# Altium PCB RockerBox_Rev04.PcbDoc (part 5 of 9) (continued)
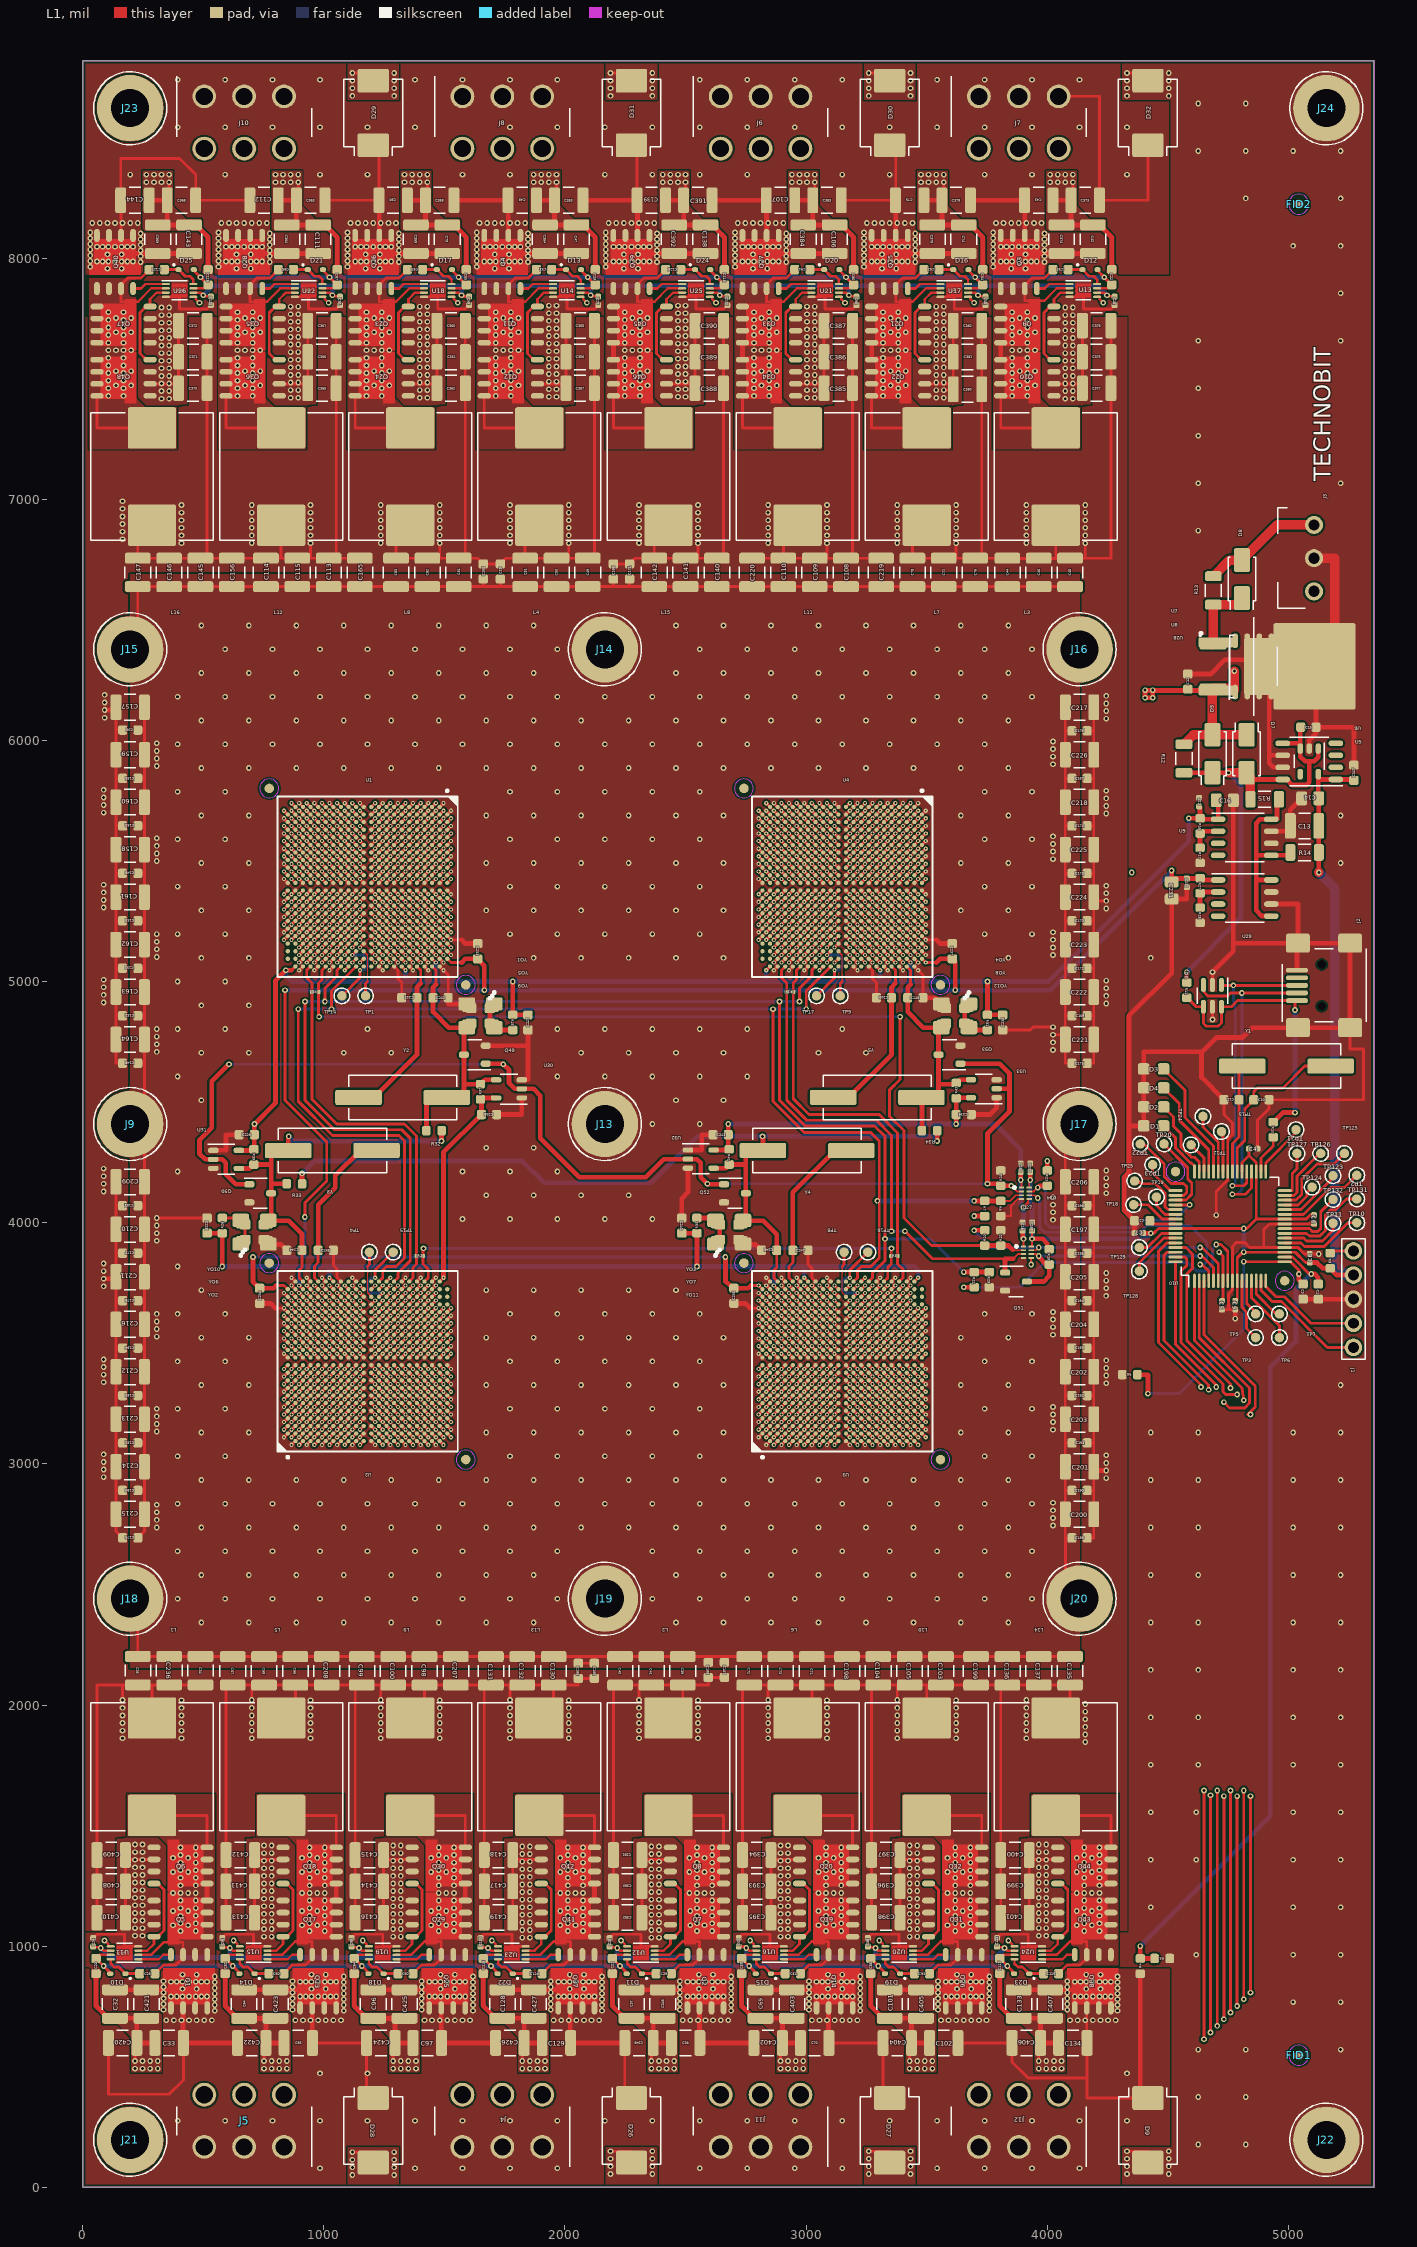
[diagram p0: L1 view]
## Nets (pads, with @x,y where several pads share a name; then routed paths per layer and width w, separated by ;. In a path a pad name is that pad's centre, name@x,y a point inside that pad or via, vN(x,y) a via of type N, cw(c..) or ccw(c..) an arc to the next point about the centre after c; other vN are vias at no path point) (continued)
  L1 w39.37: R13.2@4688.98,6681.1 4755.91,6748.03 D8.2@4807.09,6748.03 4952.76,6893.7 J3.3@5106.3,6893.7
  other v1: 984.25,78.74 1377.95,78.74 1574.8,78.74 1771.65,78.74 1968.5,78.74 2559.06,78.74 2755.91,78.74 2952.76,78.74 3149.61,78.74 3543.31,78.74 3740.16,78.74 3937.01,78.74 4133.86,78.74 393.7,275.59 590.55,275.59 787.4,275.59 984.25,275.59 1181.1,275.59 1377.95,275.59 1574.8,275.59 1771.65,275.59 1968.5,275.59 2165.35,275.59 2362.2,275.59 2559.06,275.59 2755.91,275.59 2952.76,275.59 3149.61,275.59 3346.46,275.59 3543.31,275.59 3740.16,275.59 3937.01,275.59 4133.86,275.59 4330.71,275.59 984.25,472.44 1181.1,472.44 4330.71,472.44 346.46,692.91 377.95,692.91 409.45,692.91 440.94,692.91 472.44,692.91 503.94,692.91 535.43,692.91 881.89,692.91 913.39,692.91 944.88,692.91 976.38,692.91 1007.87,692.91 1039.37,692.91 1070.87,692.91 1417.32,692.91 1448.82,692.91 1480.31,692.91 1511.81,692.91 1543.31,692.91 1574.8,692.91 1606.3,692.91 1952.76,692.91 1984.25,692.91 2015.75,692.91 2047.24,692.91 2078.74,692.91 2110.24,692.91 2141.73,692.91 2488.19,692.91 2519.68,692.91 2551.18,692.91 2582.68,692.91 2614.17,692.91 2645.67,692.91 2677.17,692.91 3023.62,692.91 3055.12,692.91 3086.61,692.91 3118.11,692.91 3149.61,692.91 3181.1,692.91 3212.6,692.91 3559.06,692.91 3590.55,692.91 3622.05,692.91 3653.54,692.91 3685.04,692.91 3716.54,692.91 3748.03,692.91 4094.49,692.91 4125.98,692.91 4157.48,692.91 4188.98,692.91 4220.47,692.91 4251.97,692.91 4283.46,692.91 547.24,732.28 1082.68,732.28 1618.11,732.28 2153.54,732.28 2688.98,732.28 3224.41,732.28 3759.84,732.28 4291.34,732.28 334.65,736.22 870.08,736.22 1405.51,736.22 1940.94,736.22 2476.38,736.22 3011.81,736.22 3547.24,736.22 4082.68,736.22 547.24,755.91 1082.68,755.91 1618.11,755.91 2153.54,755.91 2688.98,755.91 3224.41,755.91 3759.84,755.91 4291.34,755.91 334.65,759.84 870.08,759.84 1405.51,759.84 1940.94,759.84 2476.38,759.84 3011.81,759.84 3547.24,759.84 4082.68,759.84 547.24,779.53 1082.68,779.53 1618.11,779.53 2153.54,779.53 2688.98,779.53 3224.41,779.53 3759.84,779.53 4291.34,779.53 334.65,783.46 870.08,783.46 1405.51,783.46 1940.94,783.46 2476.38,783.46 3011.81,783.46 3547.24,783.46 4082.68,783.46 901.57,791.34 925.2,791.34 948.82,791.34 976.38,791.34 1003.94,791.34 1027.56,791.34 1051.18,791.34 1437.01,791.34 1460.63,791.34 1484.25,791.34 1511.81,791.34 1539.37,791.34 1562.99,791.34 1586.61,791.34 1972.44,791.34 1996.06,791.34 2019.68,791.34 2047.24,791.34 2074.8,791.34 2098.43,791.34 2122.05,791.34 2507.87,791.34 2531.5,791.34 2555.12,791.34 2582.68,791.34 2610.24,791.34 2633.86,791.34 2657.48,791.34 3043.31,791.34 3066.93,791.34 3090.55,791.34 3118.11,791.34 3145.67,791.34 3169.29,791.34 3192.91,791.34 3578.74,791.34 3602.36,791.34 3625.98,791.34 3653.54,791.34 3681.1,791.34 3704.72,791.34 3728.35,791.34 4114.17,791.34 4137.8,791.34 4161.42,791.34 4188.98,791.34 4216.54,791.34 4240.16,791.34 4263.78,791.34 547.24,803.15 1082.68,803.15 1618.11,803.15 2153.54,803.15 2688.98,803.15 3224.41,803.15 3759.84,803.15 4291.34,803.15 334.65,807.09 870.08,807.09 1405.51,807.09 1940.94,807.09 2476.38,807.09 3011.81,807.09 3547.24,807.09 4082.68,807.09 413.39,822.83 472.44,822.83 948.82,822.83 1007.87,822.83 1484.25,822.83 1543.31,822.83 2019.68,822.83 2078.74,822.83 2555.12,822.83 2614.17,822.83 3090.55,822.83 3149.61,822.83 3625.98,822.83 3685.04,822.83 4161.42,822.83 4220.47,822.83 547.24,826.77 1082.68,826.77 1618.11,826.77 2153.54,826.77 2688.98,826.77 3224.41,826.77 3759.84,826.77 4291.34,826.77 334.65,830.71 870.08,830.71 1405.51,830.71 1940.94,830.71 2476.38,830.71 3011.81,830.71 3547.24,830.71 4082.68,830.71 547.24,850.39 1082.68,850.39 1618.11,850.39 2153.54,850.39 2688.98,850.39 3224.41,850.39 3759.84,850.39 4291.34,850.39 366.14,852.36 389.76,852.36 413.39,852.36 440.94,852.36 468.5,852.36 492.13,852.36 515.75,852.36 901.57,852.36 925.2,852.36 948.82,852.36 976.38,852.36 1003.94,852.36 1027.56,852.36 1051.18,852.36 1437.01,852.36 1460.63,852.36 1484.25,852.36 1511.81,852.36 1539.37,852.36 1562.99,852.36 1586.61,852.36 1972.44,852.36 1996.06,852.36 2019.68,852.36 2047.24,852.36 2074.8,852.36 2098.43,852.36 2122.05,852.36 2507.87,852.36 2531.5,852.36 2555.12,852.36 2582.68,852.36 2610.24,852.36 2633.86,852.36 2657.48,852.36 3043.31,852.36 3066.93,852.36 3090.55,852.36 3118.11,852.36 3145.67,852.36 3169.29,852.36 3192.91,852.36 3578.74,852.36 3602.36,852.36 3625.98,852.36 3653.54,852.36 3681.1,852.36 3704.72,852.36 3728.35,852.36 4114.17,852.36 4137.8,852.36 4161.42,852.36 4188.98,852.36 4216.54,852.36 4240.16,852.36 4263.78,852.36 334.65,854.33 870.08,854.33 1405.51,854.33 1940.94,854.33 2476.38,854.33 3011.81,854.33 3547.24,854.33 4082.68,854.33 547.24,874.02 1082.68,874.02 1618.11,874.02 2153.54,874.02 2688.98,874.02 3224.41,874.02 3759.84,874.02 4291.34,874.02 413.39,881.89 472.44,881.89 948.82,881.89 1007.87,881.89 1484.25,881.89 1543.31,881.89 2019.68,881.89 2078.74,881.89 2555.12,881.89 2614.17,881.89 3090.55,881.89 3149.61,881.89 3625.98,881.89 3685.04,881.89 4161.42,881.89 4220.47,881.89 102.36,7956.69 161.42,7956.69 637.8,7956.69 696.85,7956.69 1173.23,7956.69 1232.28,7956.69 1708.66,7956.69 1767.72,7956.69 2244.09,7956.69 2303.15,7956.69 2779.53,7956.69 2838.58,7956.69 3314.96,7956.69 3374.02,7956.69 3850.39,7956.69 3909.45,7956.69 31.5,7964.57 562.99,7964.57 1098.43,7964.57 1633.86,7964.57 2169.29,7964.57 2704.72,7964.57 3240.16,7964.57 3775.59,7964.57 240.16,7984.25 775.59,7984.25 1311.02,7984.25 1846.46,7984.25 2381.89,7984.25 2917.32,7984.25 3452.76,7984.25 3988.19,7984.25 59.06,7986.22 82.68,7986.22 106.3,7986.22 133.86,7986.22 161.42,7986.22 185.04,7986.22 208.66,7986.22 594.49,7986.22 618.11,7986.22 641.73,7986.22 669.29,7986.22 696.85,7986.22 720.47,7986.22 744.09,7986.22 1129.92,7986.22 1153.54,7986.22 1177.17,7986.22 1204.72,7986.22 1232.28,7986.22 1255.91,7986.22 1279.53,7986.22 1665.35,7986.22 1688.98,7986.22 1712.6,7986.22 1740.16,7986.22 1767.72,7986.22 1791.34,7986.22 1814.96,7986.22 2200.79,7986.22 2224.41,7986.22 2248.03,7986.22 2275.59,7986.22 2303.15,7986.22 2326.77,7986.22 2350.39,7986.22 2736.22,7986.22 2759.84,7986.22 2783.46,7986.22 2811.02,7986.22 2838.58,7986.22 2862.2,7986.22 2885.83,7986.22 3271.65,7986.22 3295.28,7986.22 3318.9,7986.22 3346.46,7986.22 3374.02,7986.22 3397.64,7986.22 3421.26,7986.22 3807.09,7986.22 3830.71,7986.22 3854.33,7986.22 3881.89,7986.22 3909.45,7986.22 3933.07,7986.22 3956.69,7986.22 31.5,7988.19 562.99,7988.19 1098.43,7988.19 1633.86,7988.19 2169.29,7988.19 2704.72,7988.19 3240.16,7988.19 3775.59,7988.19 240.16,8007.87 775.59,8007.87 1311.02,8007.87 1846.46,8007.87 2381.89,8007.87 2917.32,8007.87 3452.76,8007.87 3988.19,8007.87 31.5,8011.81 562.99,8011.81 1098.43,8011.81 1633.86,8011.81 2169.29,8011.81 2704.72,8011.81 3240.16,8011.81 3775.59,8011.81 102.36,8015.75 161.42,8015.75 637.8,8015.75 696.85,8015.75 1173.23,8015.75 1232.28,8015.75 1708.66,8015.75 1767.72,8015.75 2244.09,8015.75 2303.15,8015.75 2779.53,8015.75 2838.58,8015.75 3314.96,8015.75 3374.02,8015.75 3850.39,8015.75 3909.45,8015.75 240.16,8031.5 775.59,8031.5 1311.02,8031.5 1846.46,8031.5 2381.89,8031.5 2917.32,8031.5 3452.76,8031.5 3988.19,8031.5 31.5,8035.43 562.99,8035.43 1098.43,8035.43 1633.86,8035.43 2169.29,8035.43 2704.72,8035.43 3240.16,8035.43 3775.59,8035.43 59.06,8047.24 82.68,8047.24 106.3,8047.24 133.86,8047.24 161.42,8047.24 185.04,8047.24 208.66,8047.24 594.49,8047.24 618.11,8047.24 641.73,8047.24 669.29,8047.24 696.85,8047.24 720.47,8047.24 744.09,8047.24 1129.92,8047.24 1153.54,8047.24 1177.17,8047.24 1204.72,8047.24 1232.28,8047.24 1255.91,8047.24 1279.53,8047.24 1665.35,8047.24 1688.98,8047.24 1712.6,8047.24 1740.16,8047.24 1767.72,8047.24 1791.34,8047.24 1814.96,8047.24 2200.79,8047.24 2224.41,8047.24 2248.03,8047.24 2275.59,8047.24 2303.15,8047.24 2326.77,8047.24 2350.39,8047.24 2736.22,8047.24 2759.84,8047.24 2783.46,8047.24 2811.02,8047.24 2838.58,8047.24 2862.2,8047.24 2885.83,8047.24 3271.65,8047.24 3295.28,8047.24 3318.9,8047.24 3346.46,8047.24 3374.02,8047.24 3397.64,8047.24 3421.26,8047.24 3807.09,8047.24 3830.71,8047.24 3854.33,8047.24 3881.89,8047.24 3909.45,8047.24 3933.07,8047.24 3956.69,8047.24 240.16,8055.12 775.59,8055.12 1311.02,8055.12 1846.46,8055.12 2381.89,8055.12 2917.32,8055.12 3452.76,8055.12 3988.19,8055.12 31.5,8059.06 562.99,8059.06 1098.43,8059.06 1633.86,8059.06 2169.29,8059.06 2704.72,8059.06 3240.16,8059.06 3775.59,8059.06 240.16,8078.74 775.59,8078.74 1311.02,8078.74 1846.46,8078.74 2381.89,8078.74 2917.32,8078.74 3452.76,8078.74 3988.19,8078.74 31.5,8082.68 562.99,8082.68 1098.43,8082.68 1633.86,8082.68 2169.29,8082.68 2704.72,8082.68 3240.16,8082.68 3775.59,8082.68 240.16,8102.36 775.59,8102.36 1311.02,8102.36 1846.46,8102.36 2381.89,8102.36 2917.32,8102.36 3452.76,8102.36 3988.19,8102.36 31.5,8106.3 562.99,8106.3 1098.43,8106.3 1633.86,8106.3 2169.29,8106.3 2704.72,8106.3 3240.16,8106.3 3775.59,8106.3 39.37,8145.67 70.87,8145.67 102.36,8145.67 133.86,8145.67 165.35,8145.67 196.85,8145.67 228.35,8145.67 574.8,8145.67 606.3,8145.67 637.8,8145.67 669.29,8145.67 700.79,8145.67 732.28,8145.67 763.78,8145.67 1110.24,8145.67 1141.73,8145.67 1173.23,8145.67 1204.72,8145.67 1236.22,8145.67 1267.72,8145.67 1299.21,8145.67 1645.67,8145.67 1677.17,8145.67 1708.66,8145.67 1740.16,8145.67 1771.65,8145.67 1803.15,8145.67 1834.65,8145.67 2181.1,8145.67 2212.6,8145.67 2244.09,8145.67 2275.59,8145.67 2307.09,8145.67 2338.58,8145.67 2370.08,8145.67 2716.54,8145.67 2748.03,8145.67 2779.53,8145.67 2811.02,8145.67 2842.52,8145.67 2874.02,8145.67 2905.51,8145.67 3251.97,8145.67 3283.46,8145.67 3314.96,8145.67 3346.46,8145.67 3377.95,8145.67 3409.45,8145.67 3440.94,8145.67 3787.4,8145.67 3818.9,8145.67 3850.39,8145.67 3881.89,8145.67 3913.39,8145.67 3944.88,8145.67 3976.38,8145.67 196.85,8346.46 590.55,8346.46 984.25,8346.46 1181.1,8346.46 1574.8,8346.46 1771.65,8346.46 2165.35,8346.46 2362.2,8346.46 2559.06,8346.46 2755.91,8346.46 3149.61,8346.46 3346.46,8346.46 3740.16,8346.46 3937.01,8346.46 4330.71,8346.46 393.7,8543.31 590.55,8543.31 787.4,8543.31 984.25,8543.31 1181.1,8543.31 1377.95,8543.31 1771.65,8543.31 1968.5,8543.31 2165.35,8543.31 2362.2,8543.31 2559.06,8543.31 2755.91,8543.31 2952.76,8543.31 3149.61,8543.31 3346.46,8543.31 3543.31,8543.31 3740.16,8543.31 3937.01,8543.31 4133.86,8543.31 4330.71,8543.31 393.7,8740.16 590.55,8740.16 787.4,8740.16 984.25,8740.16 1377.95,8740.16 1574.8,8740.16 1771.65,8740.16 1968.5,8740.16 2559.06,8740.16 2755.91,8740.16 2952.76,8740.16 3149.61,8740.16 3543.31,8740.16 3740.16,8740.16 3937.01,8740.16 4133.86,8740.16
BOOT1: C28.1 D10.1 U11.8 | length 155.9
  L1 w9.84: 116.14,927.17 U11.8@116.14,945.87
  L1 w11.81: 116.14,927.17 129.92,913.39 149.61,913.39 D10.1@177.17,885.83 C28.1@236.22,885.83
BOOT2: C60.1 D14.1 U15.8 | length 155.9
  L1 w9.84: 651.57,927.17 U15.8@651.57,945.87
  L1 w11.81: 651.57,927.17 665.35,913.39 685.04,913.39 D14.1@712.6,885.83 C60.1@771.65,885.83
BOOT3: C92.1 D18.1 U19.8 | length 155.9
  L1 w9.84: 1187.01,927.17 U19.8@1187.01,945.87
  L1 w11.81: 1187.01,927.17 1200.79,913.39 1220.47,913.39 D18.1@1248.03,885.83 C92.1@1307.09,885.83
BOOT4: C124.1 D22.1 U23.8 | length 155.9
  L1 w9.84: 1722.44,927.17 U23.8@1722.44,945.87
  L1 w11.81: 1722.44,927.17 1736.22,913.39 1755.91,913.39 D22.1@1783.46,885.83 C124.1@1842.52,885.83
BOOT5: C29.1 D11.1 U12.8 | length 155.9
  L1 w9.84: 2257.87,927.17 U12.8@2257.87,945.87
  L1 w11.81: 2257.87,927.17 2271.65,913.39 2291.34,913.39 D11.1@2318.9,885.83 C29.1@2377.95,885.83
BOOT6: C61.1 D15.1 U16.8 | length 155.9
  L1 w9.84: 2793.31,927.17 U16.8@2793.31,945.87
  L1 w11.81: 2793.31,927.17 2807.09,913.39 2826.77,913.39 D15.1@2854.33,885.83 C61.1@2913.39,885.83
BOOT7: C93.1 D19.1 U20.8 | length 155.9
  L1 w9.84: 3328.74,927.17 U20.8@3328.74,945.87
  L1 w11.81: 3328.74,927.17 3342.52,913.39 3362.2,913.39 D19.1@3389.76,885.83 C93.1@3448.82,885.83
BOOT8: C125.1 D23.1 U24.8 | length 155.9
  L1 w9.84: 3864.17,927.17 U24.8@3864.17,945.87
  L1 w11.81: 3864.17,927.17 3877.95,913.39 3897.64,913.39 D23.1@3925.2,885.83 C125.1@3984.25,885.83
BOOT9: C30.1 D12.1 U13.8 | length 155.9
  L1 w9.84: U13.8@4206.69,7892.72 4206.69,7911.42
  L1 w11.81: C30.1@4086.61,7952.76 D12.1@4145.67,7952.76 4173.23,7925.2 4192.91,7925.2 4206.69,7911.42
BOOT10: C62.1 D16.1 U17.8 | length 155.9
  L1 w9.84: U17.8@3671.26,7892.72 3671.26,7911.42
  L1 w11.81: C62.1@3551.18,7952.76 D16.1@3610.24,7952.76 3637.8,7925.2 3657.48,7925.2 3671.26,7911.42
BOOT11: C94.1 D20.1 U21.8 | length 155.9
  L1 w9.84: U21.8@3135.83,7892.72 3135.83,7911.42
  L1 w11.81: C94.1@3015.75,7952.76 D20.1@3074.8,7952.76 3102.36,7925.2 3122.05,7925.2 3135.83,7911.42
BOOT12: C126.1 D24.1 U25.8 | length 155.9
  L1 w9.84: U25.8@2600.39,7892.72 2600.39,7911.42
  L1 w11.81: C126.1@2480.31,7952.76 D24.1@2539.37,7952.76 2566.93,7925.2 2586.61,7925.2 2600.39,7911.42
BOOT13: C31.1 D13.1 U14.8 | length 155.9
  L1 w9.84: U14.8@2064.96,7892.72 2064.96,7911.42
  L1 w11.81: C31.1@1944.88,7952.76 D13.1@2003.94,7952.76 2031.5,7925.2 2051.18,7925.2 2064.96,7911.42
BOOT14: C63.1 D17.1 U18.8 | length 155.9
  L1 w9.84: U18.8@1529.53,7892.72 1529.53,7911.42
  L1 w11.81: C63.1@1409.45,7952.76 D17.1@1468.5,7952.76 1496.06,7925.2 1515.75,7925.2 1529.53,7911.42
BOOT15: C95.1 D21.1 U22.8 | length 155.9
  L1 w9.84: U22.8@994.09,7892.72 994.09,7911.42
  L1 w11.81: C95.1@874.02,7952.76 D21.1@933.07,7952.76 960.63,7925.2 980.31,7925.2 994.09,7911.42
BOOT16: C127.1 D25.1 U26.8 | length 155.9
  L1 w9.84: U26.8@458.66,7892.72 458.66,7911.42
  L1 w11.81: C127.1@338.58,7952.76 D25.1@397.64,7952.76 425.2,7925.2 444.88,7925.2 458.66,7911.42
D+: D6.1 J2.3 U10.37 | length 1263.3
  L1 w11.81: D6.1@4722.44,4986.22 4724.41,4984.25 v1(4771.65,4984.25) J2.3@5035.43,4984.25 ; v1(4767.72,4153.54) 4814.96,4153.54 4827.07,4165.65 U10.37@4827.07,4211.93
  L4 w11.81: v1(4767.72,4153.54) 4779.53,4165.35 4779.53,4909.45 4771.65,4917.32 v1(4771.65,4984.25)
D-: D6.3 J2.2 U10.36 | length 1448.1
  L1 w11.81: D6.3@4647.64,4986.22 4649.61,4984.25 4649.61,4956.69 4665.35,4940.94 4748.03,4940.94 4759.84,4952.76 v1(4807.09,4952.76) J2.2@5035.43,4952.76 ; v1(4767.72,4118.11) 4821.39,4118.11 4846.75,4143.47 U10.36@4846.75,4211.93
  L4 w11.81: v1(4767.72,4118.11) 4787.4,4118.11 4807.09,4137.8 v1(4807.09,4952.76)
FB: C3.1 R6.1 U10.17 | length 1217.3
  L1 w11.81: v1(4814.96,3838.58) 4815.63,3837.92 U10.17@4984.55,3837.92 5008.17,3837.92 5043.31,3802.78 v1(5043.31,3787.4)
  L1 w19.68: R6.1@4374.02,3370.08 4417.32,3370.08 v1(4417.32,3291.34) ; v1(5043.31,3787.4) 5043.31,3763.78 C3.1@5061.02,3746.06
  L4 w11.81: v1(4417.32,3291.34) 4547.24,3291.34 4814.96,3559.06 v1(4814.96,3838.58)
GND: C1.2 C2.2 C3.2 C4.2 C5.2 C6.2 C7.2 C8.2 C9.2 C10.2 C11.2 C12.2 C13.1 C14.2 C15.2 C16.2 C17.2 C18.1 C19.1 C20.1 C21.1 C22.1 C23.1 C24.2 C25.2 C26.2 C27.2 C32.1 C33.1 C34.1 C35.1 C36.1 C37.1 C38.1 C39.1 C40.1 C41.1 C42.1 C43.1 C44.1 C45.1 C46.1 C47.1 C48.1 C49.1 C50.1 C51.1 C52.1 C53.1 C54.1 C55.1 C56.2 C57.2 C58.2 C59.2 C64.1 C65.1 C66.1 C67.1 C68.1 C69.1 C70.1 C71.1 C72.1 C73.1 C74.1 C75.1 C76.1 C77.1 C78.1 C79.1 C80.1 C81.1 C82.1 C83.1 C84.1 C85.1 C86.1 C87.1 C88.2 C89.2 C90.2 C91.2 C96.1 C97.1 C98.1 C99.1 C100.1 C101.1 C102.1 C103.1 C104.1 C105.1 C106.1 C107.1 C108.1 C109.1 C110.1 C111.1 C112.1 C113.1 C114.1 C115.1 C116.1 C117.1 C118.1 C119.1 C120.2 C121.2 C122.2 C123.2 C128.1 C129.1 C130.1 C131.1 C132.1 C133.1 C134.1 C135.1 C136.1 C137.1 C138.1 C139.1 C140.1 C141.1 C142.1 C143.1 C144.1 C145.1 C146.1 C147.1 C148.1 C149.1 C150.1 C151.1 C152.1 C153.1 C154.1 C155.1 C156.1 C157.1 C158.1 C159.1 C160.1 C161.1 C162.1 C163.1 C164.1 C165.1 C166.1 C167.1 C168.1 C169.1 C170.1 C171.1 C172.1 C173.1 C174.1 C175.1 C176.1 C177.1 C178.1 C179.1 C180.1 C181.1 C182.1 C183.1 C184.1 C185.1 C186.1 C187.1 C188.1 C189.1 C190.1 C191.1 C192.1 C193.1 C194.1 C195.1 C196.1 C197.1 C198.1 C199.1 C200.1 C201.1 C202.1 C203.1 C204.1 C205.1 C206.1 C207.1 C208.1 C209.1 C210.1 C211.1 C212.1 C213.1 C214.1 C215.1 C216.1 C217.1 C218.1 C219.1 C220.1 C221.1 C222.1 C223.1 C224.1 C225.1 C226.1 C227.1 C228.1 C229.1 C230.1 C231.2 C232.2 C233.1 C234.1 C235.1 C236.1 C237.1 C238.1 C239.1 C240.1 C241.1 C242.2 C243.2 C244.2 C245.2 C246.2 C247.2 C248.2 C249.2 C250.1 C251.1 C347.2 C348.1 C349.1 C350.1 C351.1 C352.1 C353.1 C354.1 C355.1 C356.1 C357.1 C358.1 C359.1 C360.1 C361.1 C362.1 C363.1 C364.1 C365.1 C366.1 C367.1 C368.1 C369.1 C370.1 C371.1 C372.1 C373.1 C374.1 C375.1 C376.1 C377.1 C378.1 C379.1 C380.1 C381.1 C382.1 C383.1 C384.1 C385.1 C386.1 C387.1 C388.1 C389.1 C390.1 C391.1 C392.1 C393.1 C394.1 C395.1 C396.1 C397.1 C398.1 C399.1 C400.1 C401.1 C402.1 C403.1 C404.1 C405.1 C406.1 C407.1 C408.1 C409.1 C410.1 C411.1 C412.1 C413.1 C414.1 C415.1 C416.1 C417.1 C418.1 C419.1 C420.1 C421.1 C422.1 C423.1 C424.1 C425.1 C426.1 C427.1 D1.1 D2.1 D3.1 D4.1 D6.2 D6.5 D9.2 D26.2 D27.2 D28.2 D29.2 D30.2 D31.2 D32.2 J1.3 J2.5 J2.6 J2.7 J2.8 J2.9 J3.2 J4.4 J4.5 J4.6 J5.4 J5.5 J5.6 J6.4 J6.5 J6.6 J7.4 J7.5 J7.6 J8.4 J8.5 J8.6 J9.1 J10.4 J10.5 J10.6 J11.4 J11.5 J11.6 J12.4 J12.5 J12.6 J13.1 J14.1 J15.1 J16.1 J17.1 J18.1 J19.1 J20.1 J21.1 J22.1 J23.1 J24.1 Q5.1 Q5.2 Q5.3 Q6.1 Q6.2 Q6.3 Q7.1 Q7.2 Q7.3 Q8.1 Q8.2 Q8.3 Q9.1 Q9.2 Q9.3 Q10.1 Q10.2 Q10.3 Q11.1 Q11.2 Q11.3 Q12.1 Q12.2 Q12.3 Q17.1 Q17.2 Q17.3 Q18.1 Q18.2 Q18.3 Q19.1 Q19.2 Q19.3 Q20.1 Q20.2 Q20.3 Q21.1 Q21.2 Q21.3 Q22.1 Q22.2 Q22.3 Q23.1 Q23.2 Q23.3 Q24.1 Q24.2 Q24.3 Q29.1 Q29.2 Q29.3 Q30.1 Q30.2 Q30.3 Q31.1 Q31.2 Q31.3 Q32.1 Q32.2 Q32.3 Q33.1 Q33.2 Q33.3 Q34.1 Q34.2 Q34.3 Q35.1 Q35.2 Q35.3 Q36.1 Q36.2 Q36.3 Q41.1 Q41.2 Q41.3 Q42.1 Q42.2 Q42.3 Q43.1 Q43.2 Q43.3 Q44.1 Q44.2 Q44.3 Q45.1 Q45.2 Q45.3 Q46.1 Q46.2 Q46.3 Q47.1 Q47.2 Q47.3 Q48.1 Q48.2 Q48.3 Q49.2 Q50.2 Q51.2 Q52.2 Q53.2 R5.1 R8.2 R17.2 R22.2 R24.2 R28.2 R29.2 U1.A2 U1.A4 U1.A6 U1.A8 U1.A10 U1.A12 U1.A14 U1.A16 U1.A18 U1.A20 U1.AA2 U1.AA4 U1.AA6 U1.AA8 U1.AA10 U1.AA12 U1.AA14 U1.AA16 U1.AA18 U1.AB3 U1.AB5 U1.AB7 U1.AB9 U1.AB11 U1.AB13 U1.AB15 U1.AB17 U1.B1 U1.B3 U1.B5 U1.B7 U1.B9 U1.B11 U1.B13 U1.B15 U1.B17 U1.B19 U1.B21 U1.B22 U1.C2 U1.C4 U1.C6 U1.C8 U1.C10 U1.C12 U1.C14 U1.C16 U1.C18 U1.C20 U1.D1 U1.D3 U1.D5 U1.D7 U1.D9 U1.D11 U1.D13 U1.D15 U1.D17 U1.D19 U1.D21 U1.D22 U1.E2 U1.E4 U1.E6 U1.E8 U1.E10 U1.E12 U1.E14 U1.E16 U1.E18 U1.E20 U1.F1 U1.F3 U1.F5 U1.F7 U1.F9 U1.F11 U1.F13 U1.F15 U1.F17 U1.F19 U1.F21 U1.F22 U1.G2 U1.G4 U1.G6 U1.G8 U1.G10 U1.G12 U1.G14 U1.G16 U1.G18 U1.G20 U1.H1 U1.H3 U1.H5 U1.H7 U1.H9 U1.H11 U1.H13 U1.H15 U1.H17 U1.H19 U1.H21 U1.H22 U1.J2 U1.J4 U1.J6 U1.J8 U1.J10 U1.J12 U1.J14 U1.J16 U1.J18 U1.J20 U1.K1 U1.K3 U1.K5 U1.K7 U1.K9 U1.K11 U1.K13 U1.K15 U1.K17 U1.K19 U1.K21 U1.K22 U1.L2 U1.L4 U1.L6 U1.L8 U1.L10 U1.L12 U1.L14 U1.L16 U1.L18 U1.L20 U1.M1 U1.M3 U1.M5 U1.M7 U1.M9 U1.M11 U1.M13 U1.M15 U1.M17 U1.M19 U1.M21 U1.N2 U1.N4 U1.N6 U1.N8 U1.N10 U1.N12 U1.N14 U1.N16 U1.N18 U1.P1 U1.P3 U1.P5 U1.P7 U1.P9 U1.P11 U1.P13 U1.P15 U1.P17 U1.P19 U1.P21 U1.P22 U1.R2 U1.R4 U1.R6 U1.R8 U1.R10 U1.R12 U1.R14 U1.R16 U1.R18 U1.R20 U1.T1 U1.T3 U1.T5 U1.T7 U1.T9 U1.T11 U1.T13 U1.T15 U1.T17 U1.T19 U1.T21 U1.T22 U1.U2 U1.U4 U1.U6 U1.U8 U1.U10 U1.U12 U1.U14 U1.U16 U1.U18 U1.U20 U1.V1 U1.V3 U1.V5 U1.V7 U1.V9 U1.V11 U1.V13 U1.V15 U1.V17 U1.V19 U1.V21 U1.V22 U1.W2 U1.W4 U1.W6 U1.W8 U1.W10 U1.W12 U1.W14 U1.W16 U1.W18 U1.W20 U1.Y1 U1.Y3 U1.Y5 U1.Y7 U1.Y9 U1.Y11 U1.Y13 U1.Y15 U1.Y17 U1.Y19 U1.Y21 U1.Y22 U2.A2 U2.A4 U2.A6 U2.A8 U2.A10 U2.A12 U2.A14 U2.A16 U2.A18 U2.A20 U2.AA2 U2.AA4 U2.AA6 U2.AA8 U2.AA10 U2.AA12 U2.AA14 U2.AA16 U2.AA18 U2.AB3 U2.AB5 U2.AB7 U2.AB9 U2.AB11 U2.AB13 U2.AB15 U2.AB17 U2.B1 U2.B3 U2.B5 U2.B7 U2.B9 U2.B11 U2.B13 U2.B15 U2.B17 U2.B19 U2.B21 U2.B22 U2.C2 U2.C4 U2.C6 U2.C8 U2.C10 U2.C12 U2.C14 U2.C16 U2.C18 U2.C20 U2.D1 U2.D3 U2.D5 U2.D7 U2.D9 U2.D11 U2.D13 U2.D15 U2.D17 U2.D19 U2.D21 U2.D22 U2.E2 U2.E4 U2.E6 U2.E8 U2.E10 U2.E12 U2.E14 U2.E16 U2.E18 U2.E20 U2.F1 U2.F3 U2.F5 U2.F7 U2.F9 U2.F11 U2.F13 U2.F15 U2.F17 U2.F19 U2.F21 U2.F22 U2.G2 U2.G4 U2.G6 U2.G8 U2.G10 U2.G12 U2.G14 U2.G16 U2.G18 U2.G20 U2.H1 U2.H3 U2.H5 U2.H7 U2.H9 U2.H11 U2.H13 U2.H15 U2.H17 U2.H19 U2.H21 U2.H22 U2.J2 U2.J4 U2.J6 U2.J8 U2.J10 U2.J12 U2.J14 U2.J16 U2.J18 U2.J20 U2.K1 U2.K3 U2.K5 U2.K7 U2.K9 U2.K11 U2.K13 U2.K15 U2.K17 U2.K19 U2.K21 U2.K22 U2.L2 U2.L4 U2.L6 U2.L8 U2.L10 U2.L12 U2.L14 U2.L16 U2.L18 U2.L20 U2.M1 U2.M3 U2.M5 U2.M7 U2.M9 U2.M11 U2.M13 U2.M15 U2.M17 U2.M19 U2.M21 U2.N2 U2.N4 U2.N6 U2.N8 U2.N10 U2.N12 U2.N14 U2.N16 U2.N18 U2.P1 U2.P3 U2.P5 U2.P7 U2.P9 U2.P11 U2.P13 U2.P15 U2.P17 U2.P19 U2.P21 U2.P22 U2.R2 U2.R4 U2.R6 U2.R8 U2.R10 U2.R12 U2.R14 U2.R16 U2.R18 U2.R20 U2.T1 U2.T3 U2.T5 U2.T7 U2.T9 U2.T11 U2.T13 U2.T15 U2.T17 U2.T19 U2.T21 U2.T22 U2.U2 U2.U4 U2.U6 U2.U8 U2.U10 U2.U12 U2.U14 U2.U16 U2.U18 U2.U20 U2.V1 U2.V3 U2.V5 U2.V7 U2.V9 U2.V11 U2.V13 U2.V15 U2.V17 U2.V19 U2.V21 U2.V22 U2.W2 U2.W4 U2.W6 U2.W8 U2.W10 U2.W12 U2.W14 U2.W16 U2.W18 U2.W20 U2.Y1 U2.Y3 U2.Y5 U2.Y7 U2.Y9 U2.Y11 U2.Y13 U2.Y15 U2.Y17 U2.Y19 U2.Y21 U2.Y22 U3.A2 U3.A4 U3.A6 U3.A8 U3.A10 U3.A12 U3.A14 U3.A16 U3.A18 U3.A20 U3.AA2 U3.AA4 U3.AA6 U3.AA8 U3.AA10 U3.AA12 U3.AA14 U3.AA16 U3.AA18 U3.AB3 U3.AB5 U3.AB7 U3.AB9 U3.AB11 U3.AB13 U3.AB15 U3.AB17 U3.B1 U3.B3 U3.B5 U3.B7 U3.B9 U3.B11 U3.B13 U3.B15 U3.B17 U3.B19 U3.B21 U3.B22 U3.C2 U3.C4 U3.C6 U3.C8 U3.C10 U3.C12 U3.C14 U3.C16 U3.C18 U3.C20 U3.D1 U3.D3 U3.D5 U3.D7 U3.D9 U3.D11 U3.D13 U3.D15 U3.D17 U3.D19 U3.D21 U3.D22 U3.E2 U3.E4 U3.E6 U3.E8 U3.E10 U3.E12 U3.E14 U3.E16 U3.E18 U3.E20 U3.F1 U3.F3 U3.F5 U3.F7 U3.F9 U3.F11 U3.F13 U3.F15 U3.F17 U3.F19 U3.F21 U3.F22 U3.G2 U3.G4 U3.G6 U3.G8 U3.G10 U3.G12 U3.G14 U3.G16 U3.G18 U3.G20 U3.H1 U3.H3 U3.H5 U3.H7 U3.H9 U3.H11 U3.H13 U3.H15 U3.H17 U3.H19 U3.H21 U3.H22 U3.J2 U3.J4 U3.J6 U3.J8 U3.J10 U3.J12 U3.J14 U3.J16 U3.J18 U3.J20 U3.K1 U3.K3 U3.K5 U3.K7 U3.K9 U3.K11 U3.K13 U3.K15 U3.K17 U3.K19 U3.K21 U3.K22 U3.L2 U3.L4 U3.L6 U3.L8 U3.L10 U3.L12 U3.L14 U3.L16 U3.L18 U3.L20 U3.M1 U3.M3 U3.M5 U3.M7 U3.M9 U3.M11 U3.M13 U3.M15 U3.M17 U3.M19 U3.M21 U3.N2 U3.N4 U3.N6 U3.N8 U3.N10 U3.N12 U3.N14 U3.N16 U3.N18 U3.P1 U3.P3 U3.P5 U3.P7 U3.P9 U3.P11 U3.P13 U3.P15 U3.P17 U3.P19 U3.P21 U3.P22 U3.R2 U3.R4 U3.R6 U3.R8 U3.R10 U3.R12 U3.R14 U3.R16 U3.R18 U3.R20 U3.T1 U3.T3 U3.T5 U3.T7 U3.T9 U3.T11 U3.T13 U3.T15 U3.T17 U3.T19 U3.T21 U3.T22 U3.U2 U3.U4 U3.U6 U3.U8 U3.U10 U3.U12 U3.U14 U3.U16 U3.U18 U3.U20 U3.V1 U3.V3 U3.V5 U3.V7 U3.V9 U3.V11 U3.V13 U3.V15 U3.V17 U3.V19 U3.V21 U3.V22 U3.W2 U3.W4 U3.W6 U3.W8 U3.W10 U3.W12 U3.W14 U3.W16 U3.W18 U3.W20 U3.Y1 U3.Y3 U3.Y5 U3.Y7 U3.Y9 U3.Y11 U3.Y13 U3.Y15 U3.Y17 U3.Y19 U3.Y21 U3.Y22 U4.A2 U4.A4 U4.A6 U4.A8 U4.A10 U4.A12 U4.A14 U4.A16 U4.A18 U4.A20 U4.AA2 U4.AA4 U4.AA6 U4.AA8 U4.AA10 U4.AA12 U4.AA14 U4.AA16 U4.AA18 U4.AB3 U4.AB5 U4.AB7 U4.AB9 U4.AB11 U4.AB13 U4.AB15 U4.AB17 U4.B1 U4.B3 U4.B5 U4.B7 U4.B9 U4.B11 U4.B13 U4.B15 U4.B17 U4.B19 U4.B21 U4.B22 U4.C2 U4.C4 U4.C6 U4.C8 U4.C10 U4.C12 U4.C14 U4.C16 U4.C18 U4.C20 U4.D1 U4.D3 U4.D5 U4.D7 U4.D9 U4.D11 U4.D13 U4.D15 U4.D17 U4.D19 U4.D21 U4.D22 U4.E2 U4.E4 U4.E6 U4.E8 U4.E10 U4.E12 U4.E14 U4.E16 U4.E18 U4.E20 U4.F1 U4.F3 U4.F5 U4.F7 U4.F9 U4.F11 U4.F13 U4.F15 U4.F17 U4.F19 U4.F21 U4.F22 U4.G2 U4.G4 U4.G6 U4.G8 U4.G10 U4.G12 U4.G14 U4.G16 U4.G18 U4.G20 U4.H1 U4.H3 U4.H5 U4.H7 U4.H9 U4.H11 U4.H13 U4.H15 U4.H17 U4.H19 U4.H21 U4.H22 U4.J2 U4.J4 U4.J6 U4.J8 U4.J10 U4.J12 U4.J14 U4.J16 U4.J18 U4.J20 U4.K1 U4.K3 U4.K5 U4.K7 U4.K9 U4.K11 U4.K13 U4.K15 U4.K17 U4.K19 U4.K21 U4.K22 U4.L2 U4.L4 U4.L6 U4.L8 U4.L10 U4.L12 U4.L14 U4.L16 U4.L18 U4.L20 U4.M1 U4.M3 U4.M5 U4.M7 U4.M9 U4.M11 U4.M13 U4.M15 U4.M17 U4.M19 U4.M21 U4.N2 U4.N4 U4.N6 U4.N8 U4.N10 U4.N12 U4.N14 U4.N16 U4.N18 U4.P1 U4.P3 U4.P5 U4.P7 U4.P9 U4.P11 U4.P13 U4.P15 U4.P17 U4.P19 U4.P21 U4.P22 U4.R2 U4.R4 U4.R6 U4.R8 U4.R10 U4.R12 U4.R14 U4.R16 U4.R18 U4.R20 U4.T1 U4.T3 U4.T5 U4.T7 U4.T9 U4.T11 U4.T13 U4.T15 U4.T17 U4.T19 U4.T21 U4.T22 U4.U2 U4.U4 U4.U6 U4.U8 U4.U10 U4.U12 U4.U14 U4.U16 U4.U18 U4.U20 U4.V1 U4.V3 U4.V5 U4.V7 U4.V9 U4.V11 U4.V13 U4.V15 U4.V17 U4.V19 U4.V21 U4.V22 U4.W2 U4.W4 U4.W6 U4.W8 U4.W10 U4.W12 U4.W14 U4.W16 U4.W18 U4.W20 U4.Y1 U4.Y3 U4.Y5 U4.Y7 U4.Y9 U4.Y11 U4.Y13 U4.Y15 U4.Y17 U4.Y19 U4.Y21 U4.Y22 U5.2 U6.6 U6.7 U7.4 U8.4 U9.6 U9.7 U10.9 U10.20 U10.25 U10.41 U11.4 U11.9 U12.4 U12.9 U13.4 U13.9 U14.4 U14.9 U15.4 U15.9 U16.4 U16.9 U17.4 U17.9 U18.4 U18.9 U19.4 U19.9 U20.4 U20.9 U21.4 U21.9 U22.4 U22.9 U23.4 U23.9 U24.4 U24.9 U25.4 U25.9 U26.4 U26.9 U27.4 U28.2 U28.3 U28.4 U28.5 U28.6 U28.7 U29.6 U29.7 U30.1 U30.3 U31.1 U31.3 U32.1 U32.3 U33.1 U33.3 U34.4 YO1.2 YO2.2 YO3.2 YO4.2 YO5.2 YO6.2 YO7.2 YO8.2 YO9.2 YO10.2 YO11.2 YO12.2 | length 73840.1
  L1 w7.87: R8.2@3807.28,4027.56 3850.39,4027.56 3850.39,4070.87 3877.95,4098.43 U34.4@3893.7,4098.43
  L1 w9.84: 173.23,999.02 U11.4@230.31,999.02 ; U26.4@344.49,7839.57 401.57,7839.57 ; 708.66,999.02 U15.4@765.75,999.02 ; U22.4@879.92,7839.57 937.01,7839.57 ; 1244.09,999.02 U19.4@1301.18,999.02 ; U18.4@1415.35,7839.57 1472.44,7839.57 ; 1779.53,999.02 U23.4@1836.61,999.02 ; U14.4@1950.79,7839.57 2007.87,7839.57 ; 2314.96,999.02 U12.4@2372.05,999.02 ; U25.4@2486.22,7839.57 2543.31,7839.57 ; 2850.39,999.02 U16.4@2907.48,999.02 ; U21.4@3021.65,7839.57 3078.74,7839.57 ; 3385.83,999.02 U20.4@3442.91,999.02 ; U17.4@3557.09,7839.57 3614.17,7839.57 ; 3921.26,999.02 U24.4@3978.35,999.02 ; U13.4@4092.52,7839.57 4149.61,7839.57